# Altium PCB tinyCamera.PcbDoc (part 1 of 2) (continued)
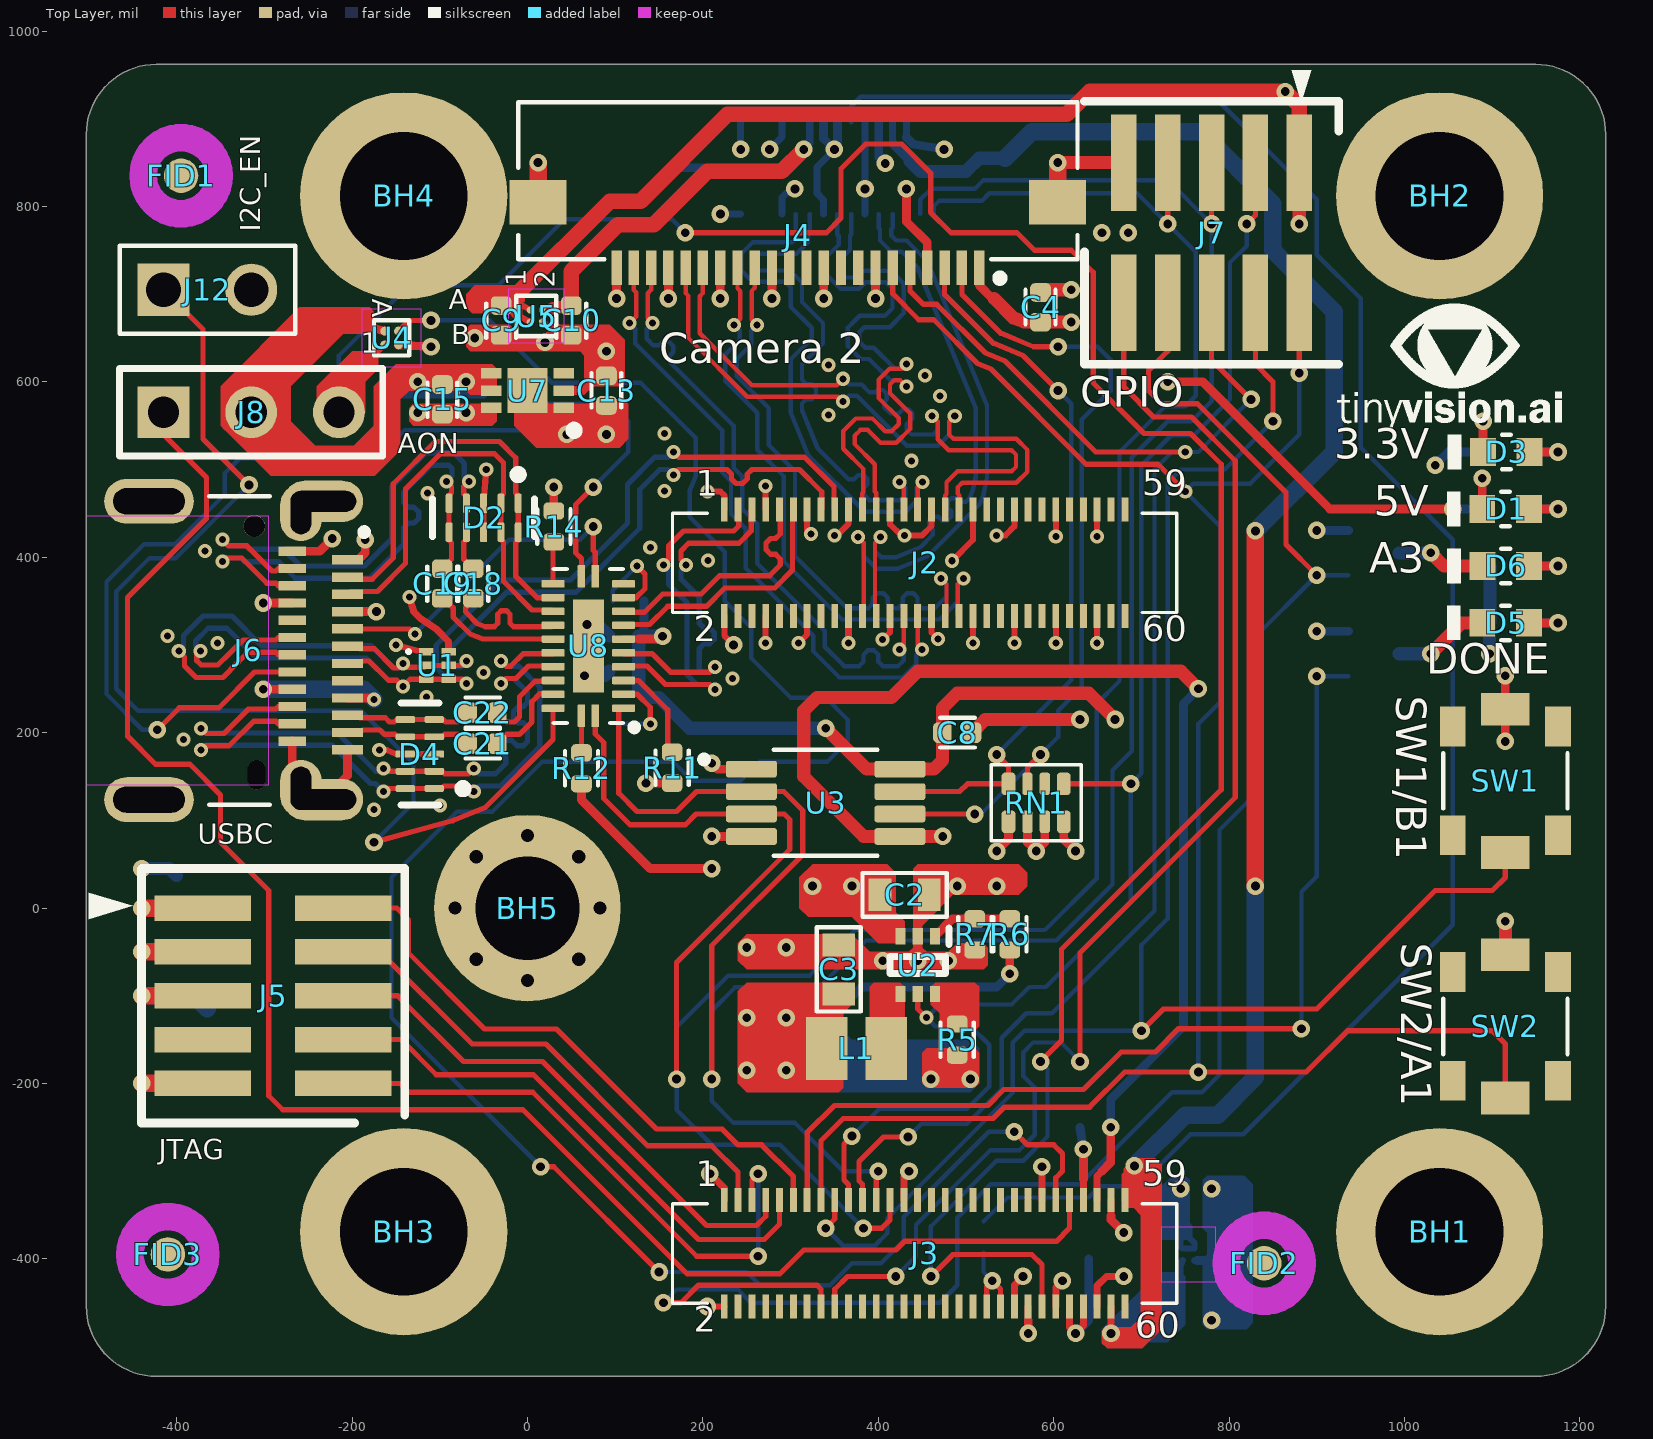
[diagram p0: Top Layer view]
## Part data (continued)
L1: library part 725321dda6339637d4d059423bc1c3c, "FIXED IND 1UH 2.7A 57 MOHM SMD", Manufacturer="Murata Electronics", Manufacturer Part Number=DFE201610E-1R0M=P2, Supplier Part Number 1=490-18106-1-ND
Logo1: library part "Logo WEEE", "WEEE logo", Lib Reference="WEEE logo", PartNumber="WEEE logo"
Logo2: library part "Logo ESD", "ESD Susceptible Symbol", LatestRevisionDate=2017-07-06, Lib Reference=ESD_Susceptible, PartNumber="ESD Susceptible", Published=2009-03-03, Publisher="Texas Instruments", SymbolCreator=a0412235, SymbolVersion=2011-08-22
Q1 Q2: library part 1926738d861a973c8d722c53ec8fd09, "MOSFET N-CH 50V 0.2A UMT3F", Continuous Drain Current=200mA, Drain to Source Breakdown Voltage=50V, Drain to Source Resistance=1.6Ω, Gate To Source Voltage=8V, Input Capacitace At Vds="26pF @ 10V", Manufacturer=Rohm, Max Forward Diode Voltage=1.2V, Max Junction Temp=+150°C, Package=UMT3F, Power Dissipation=150mW, Pulse Drain Current=800mA, Supplier Part Number 1=755-RU1J002YNTCL, Temperature="to +150°C", Automotive=No, Category=Trans, ComponentLink2Description=Datasheet, ComponentLink2URL=https://d1d2qsbl8m0m72.cloudfront.net/en/products/databook/datasheet/discrete/transistor/mosfet/ru1j002yn-e.pdf, Depletion Mode=False, Device Class L1="Discrete Semiconductors", Device Class L2=Transistors, Device Class L3=MOSFETs, Drain To Source Voltage=50V, Height=1.05mm, Lead Free=Yes, Manufacturer Part Number=RU1J002YNTCL, Mouser Description="MOSFET 0.9V Drive Nch MOSFET", Number Of Channels=1, Number Of N Channels=1, Octopart=https://octopart.com/ru1j002yntcl-rohm-47197697, RoHS=TRUE, Rthja Max=833°C/W, Standoff Height=0mm, Supplier 1=Mouser, Threshold Vgs Max=0.8V, Threshold Vgs Min=0.3V, Turn Off Delay Time=17ns, Turn On Delay Time=5ns
R1 R2 R3 R18: library part "RES 1K OHM 1% 1/16W 0402", "RES SMD 1K OHM 1% 1/16W 0402", Manufacturer=YAGEO, Manufacturer Part Number=RC0402FR-071KL, Package=0402, Supplier Part Number 1=311-1.00KLRCT-ND, Height=0.4mm, Supplier 1=Digi-Key
R4: library part "RES 1K OHM 1% 1/16W 0402", "RES 22 OHM 1% 1/16W 0402", Manufacturer=YAGEO, Manufacturer Part Number=RC0402FR-0722RL, Package=0402, Supplier Part Number 1=311-22.0LRCT-ND, Height=0.4mm, Supplier 1=Digi-Key
R5: library part "RES 0 OHM JUMPER 1/20W 0201", "RES 0 OHM JUMPER 1/16W 0402", Manufacturer=Yageo, Manufacturer Part Number=RC0402JR-070RL, Package=0402, Supplier Part Number 1=311-0.0JRCT-ND, Height=0.4mm, Supplier 1=Digi-Key
R6: library part Res_10K_1%_0402, "RES SMD 200K OHM 1% 1/16W 0402", Manufacturer="Stackpole Electronics Inc", Manufacturer Part Number=RMCF0402FT200K, Package=0402, Supplier Part Number 1=RMCF0402FT200KTR-ND, Height=0.4mm, Supplier 1=Digi-Key
R7: library part Res_10K_1%_0402, "RES SMD 44.2K OHM 1% 1/16W 0402", Manufacturer=Yageo, Manufacturer Part Number=RC0402FR-0744K2L, Package=0402, Supplier Part Number 1=YAG3163TR-ND, Height=0.4mm, Supplier 1=Digi-Key
R11 R13 R14: library part "RES SMD 10K OHM 1% 1/16W 0402", "RES SMD 10K OHM 1% 1/16W 0402", Manufacturer="Samsung Electro-Mechanics", Manufacturer Part Number=RC1005F103CS, Package=0402, Supplier Part Number 1=1276-3431-2-ND, Height=0.4mm, Supplier 1=Digi-Key
R12: library part "RES 910K OHM 1% 1/16W 0402", "RES 910K OHM 1% 1/16W 0402", Manufacturer=YAGEO, Manufacturer Part Number=RC0402FR-07910KL, Package=0402, Supplier Part Number 1=YAG3257CT-ND, Height=0.4mm, Supplier 1=Digi-Key
RN1: library part "RES ARRAY 4 RES 47K OHM 0804", "Res Thick Film Array 10K Ohm 5% ±200ppm/°C ISOL 8-Pin 0804(4 X 0402) Convex SMD Automotive T/R", Case Code (Imperial)=0402, Case Code (Metric)=1005, Case/Package=0804, Manufacturer=Panasonic, Manufacturer Part Number=EXB-28V103JX, Max Operating Temperature=125°C, Min Operating Temperature=-55°C, Number of Resistors=4, Package Quantity=1, Power Dissipation=63mW, Power Per Element=62.5mW, Resistance Tolerance=5%, Supplier Part Number 1=Y7103CT-ND, Temperature Coefficient=200ppm/°C, Voltage Rating=50V, Voltage Rating (DC)=100V, Category="Resistor Arrays", Circuit Type=Isolated, ComponentLink1Description=https://datasheet.ciiva.com/46387/1480003-46387949.pdf?src-supplier=Element14, ComponentLink1URL=https://datasheet.ciiva.com/46387/1480003-46387949.pdf?src-supplier=Element14, ComponentLink2Description=https://datasheet.ciiva.com/46376/1480003-46376265.pdf?src-supplier=Element14, ComponentLink2URL=https://datasheet.ciiva.com/46376/1480003-46376265.pdf?src-supplier=Element14, ComponentLink3Description=https://datasheet.ciiva.com/28418/1790599-28418558.pdf?src-supplier=Element14, ComponentLink3URL=https://datasheet.ciiva.com/28418/1790599-28418558.pdf?src-supplier=Element14, ComponentLink4Description=https://datasheet.ciiva.com/28636/1790599-28636885.pdf?src-supplier=Element14, ComponentLink4URL=https://datasheet.ciiva.com/28636/1790599-28636885.pdf?src-supplier=Element14, ComponentLink5Description=https://datasheet.ciiva.com/30209/aoc0000ce1-30209125.pdf?src-supplier=Onlinecomponents.com, ComponentLink5URL=https://datasheet.ciiva.com/30209/aoc0000ce1-30209125.pdf?src-supplier=Onlinecomponents.com, Depth=1mm, Height=0.35mm, Lead Free="Lead Free", Length=2mm, Military Standard=Not, Mounting Technology="Surface Mount", Number of Contacts=8, Number of Elements=4, Packaging="Tape and Reel", Pins=8, Pricing="1=0.10000, 10=0.08100, 25=0.05640, 50=0.04380, 100=0.03130, 250=0.02444, 500=0.01942, 1000=0.01378, 5000=0.01065 (USD)", Radiation Hardening=No, Reach SVHC Compliant=Unknown, RoHS=Yes, RoHS Compliant=Yes, Series=EXB, Stock=1570078, Supplier 1=Digi-Key, Technology="THICK FILM", Terminal Pitch=0.5mm, Termination=Convex, Tolerance=5%, Width=1mm
SW1 SW2: library part SPST_NO, "SWITCH TACTILE SPST-NO 0.05A 12V", Manufacturer=C&K, Supplier Part Number 1=CKN10897CT-ND, Manufacturer Part Number="PTS820 J25K SMTR LFS", Supplier 1=Digi-Key
T1: library part TP_S, "test point"
T3 T4 T5 T6 T7 T8 T9 T10 T11 T12 T13 T14 T15 T16 T17 T18 T28 T30 T32 T34 T35: "test point"
TP1: "PC TEST POINT MINIATURE", Manufacturer="Keystone Electronics", Supplier Part Number 1=36-5019CT-ND, ComponentLink1Description="Manufacturer URL", ComponentLink1URL=http://www.keyelco.com/, ComponentLink2Description=Datasheet, ComponentLink2URL=http://keyelco.com/userAssets/file/M65p56.pdf, Manufacturer Part Number=5019, Supplier 1=Digi-Key
U1: library part ONSC-ESDR0502N-UDFN-6-517AA-01, "TVS DIODE 5.5VWM 6UDFN", Manufacturer="ON Semiconductor", Supplier Part Number 1=863-ESDR0502NMUTAG, ComponentLink1Description="Manufacturer URL", ComponentLink1URL=http://www.onsemi.com/, ComponentLink2Description=Datasheet, ComponentLink2URL=http://www.onsemi.cn/pub_link/Collateral/ESDR0502N-D.PDF, ComponentLink3Description="Package Specification", ComponentLink3URL=http://www.onsemi.com/pub_link/Collateral/517AA.PDF, Manufacturer Part Number=ESDR0502NMUTAG, Supplier 1=Mouser
U2: library part AP61102Z6-7, "DC-DC CONV LV BUCK SOT563", Manufacturer="Diodes Incorporated", Supplier Part Number 1=31-AP61100QZ6-7TR-ND, Height=0.6mm, Manufacturer Part Number=AP61100QZ6-7, Supplier 1=Digi-Key
U3: library part TI-TCA9509-MSOP_DGK-8, "Level-translating I2C And Smbus", Case/Package=VSSOP, Clock Frequency=400kHz, Manufacturer="Texas Instruments", Max Operating Temperature=85°C, Max Supply Voltage=5.5V, Min Operating Temperature=-40°C, Min Supply Voltage=900mV, Operating Supply Current=3mA, Supplier Part Number 1=296-30283-1-ND, Category="Interface ICs", ComponentLink1Description=https://datasheet.ciiva.com/22791/tca9509-22791264.pdf?src-supplier=Farnell, ComponentLink1URL=https://datasheet.ciiva.com/22791/tca9509-22791264.pdf?src-supplier=Farnell, ComponentLink2Description=https://datasheet.ciiva.com/3149/tca9509-3149522.pdf?src-supplier=Avnet, ComponentLink2URL=https://datasheet.ciiva.com/3149/tca9509-3149522.pdf?src-supplier=Avnet, ComponentLink3Description=https://datasheet.ciiva.com/26911/getdatasheetpartid-476504-26911504.pdf?src-supplier=Verical, ComponentLink3URL=https://datasheet.ciiva.com/26911/getdatasheetpartid-476504-26911504.pdf?src-supplier=Verical, ComponentLink4Description=https://datasheet.ciiva.com/41460/001187989-da-01-en-ic-i2c-bus-rep-l-tca9509dgkr-vssop-8-tid-41460370.pdf?src-supplier=Conrad, ComponentLink4URL=https://datasheet.ciiva.com/41460/001187989-da-01-en-ic-i2c-bus-rep-l-tca9509dgkr-vssop-8-tid-41460370.pdf?src-supplier=Conrad, ComponentLink5Description=https://datasheet.ciiva.com/1784/tca9509-1784225.pdf?src-supplier=Digi-Key, ComponentLink5URL=https://datasheet.ciiva.com/1784/tca9509-1784225.pdf?src-supplier=Digi-Key, ComponentLink6Description=https://datasheet.ciiva.com/1784/tca9509-1784226.pdf?src-supplier=Digi-Key, ComponentLink6URL=https://datasheet.ciiva.com/1784/tca9509-1784226.pdf?src-supplier=Digi-Key, ComponentLink7Description=https://datasheet.ciiva.com/1784/tca9509-1784227.pdf?src-supplier=Digi-Key, ComponentLink7URL=https://datasheet.ciiva.com/1784/tca9509-1784227.pdf?src-supplier=Digi-Key, Height=0.95mm, Input="2-Wire Bus", Lead Free="Lead Free", Length=3.1mm, Manufacturer Part Number=TCA9509DGKR, Number Of Channels=1, Number of Outputs=2, Packaging="Tape and Reel", Pins=8, Pricing="1=1.27000, 10=1.13200, 25=1.07480, 100=0.88270, 250=0.82516, 500=0.72922, 1000=0.57570 (USD)", Propagation Delay=132.8ns, Radiation Hardening=No, Reach SVHC Compliant=No, RoHS=Yes, RoHS Compliant=Yes, Series=-, Stock=68069, Supplier 1=Digi-Key, Weight=0.001058oz, Width=3.1mm
U4: library part TCK106AG, "IC PWR SWITCH P-CHAN 1:1 4WCSPD", Manufacturer=Toshiba, Number_devices_in_Package=1, Supplier Part Number 1=TCK106AGLFCT-ND, 1pc cost=$0.47, 100pc cost=$0.2349, Built_By=EMA_UL_Team, Copyright="Copyright (C) 2018 Accelerated Designs. All rights reserved", Height=0.55mm, Manufacturer Part Number=TCK106AG,LF, RefDes=RefDes, Source_Package=TCK106AG, Supplier 1=Digi-Key, Type=DEV, Vendor=Toshiba
U5: library part NCP110AFCT120T2G, "LDO Regulator, 200 mA, Low Vin, Ultra-High PSRR 2.8V, Active Discharge", Manufacturer="ON Semiconductor", Max Operating Temperature=125°C, Max Supply Voltage=5.5V, Min Operating Temperature=-40°C, Min Output Voltage=2.8V, Output Current=200mA, Power Supply Rejection Ratio (PSRR)=55dB, Quiescent Current=25uA, Supplier Part Number 1=863-NCP110AFCT280T2G, Category="Voltage Regulators - Linear", Manufacturer Part Number=NCP110AFCT280T2G, Mounting Technology="Surface Mount", Number of Regulators=1, Output Configuration=Positive, Output Type=Fixed, Packaging="Tape and Reel", Pricing="1=0.45000, 10=0.35600, 50=0.35600, 100=0.20000, 1000=0.12500, 10000=0.10700 (USD)", RoHS=Yes, RoHS Compliant=Yes, Series=-, Stock=2308, Supplier 1=Mouser
U6: "LDO Regulator, 200 mA, Low Vin, Ultra-High PSRR 1.2V, Active Discharge", Manufacturer="ON Semiconductor", Supplier Part Number 1=488-NCP110AFCT120T2GCT-ND, Category="Voltage Regulators - Linear", Manufacturer Part Number=NCP110AFCT120T2G, Pricing 1="1=0.41000, 10=0.33100, 25=0.30280, 100=0.22520, 250=0.20412, 500=0.16892, 1000=0.12669, 2500=0.11613 (USD)", RoHS=Yes, RoHS Compliant=Yes, Stock 1=4650, Supplier 1=Digi-Key
U7: "IC CTLR OVP 28V W/NMOS 6-DFN", Case/Package=DFN, Manufacturer="ON Semiconductor", Max Operating Temperature=85°C, Max Supply Voltage=28V, Min Operating Temperature=-40°C, Min Supply Voltage=1.2V, Operating Supply Current=70uA, Package Quantity=3000, Supplier Part Number 1=NCP349MNAETBGOSCT-ND, Category="Power Management ICs", ComponentLink1Description=https://datasheet.ciiva.com/1967/ncp349-d-1967888.pdf?src-supplier=Avnet, ComponentLink1URL=https://datasheet.ciiva.com/1967/ncp349-d-1967888.pdf?src-supplier=Avnet, ComponentLink2Description=https://datasheet.ciiva.com/6602/ncp349-d-6602421.pdf?src-supplier=Digi-Key, ComponentLink2URL=https://datasheet.ciiva.com/6602/ncp349-d-6602421.pdf?src-supplier=Digi-Key, ComponentLink3Description=https://datasheet.ciiva.com/6602/ncp349-d-6602425.pdf?src-supplier=Digi-Key, ComponentLink3URL=https://datasheet.ciiva.com/6602/ncp349-d-6602425.pdf?src-supplier=Digi-Key, Halogen Free="Halogen Free", Height=0.95mm, Lead Free="Lead Free", Length=2mm, Manufacturer Part Number=NCP349MNAETBG, Mount="Surface Mount", Number of Pins=6, Packaging="Tape and Reel", Pricing 1="1=0.96000, 10=0.84700, 25=0.79520, 100=0.64900, 250=0.60284, 500=0.51304, 1000=0.41043 (USD)", Reach SVHC Compliant=Yes, RoHS=Yes, RoHS Compliant=Yes, Series=-, Stock 1=1255, Supplier 1=Digi-Key, Weight=0.000744oz, Width=1.6mm
U8: library part PI5USB30213XEAEX, "USB Power SW DIST Single 2.7V to 5.5V 1.5A/3A 24-Pin TQFN T/R", Manufacturer=Diodes, Supplier Part Number 1=PI5USB30213XEAEXCT-ND, Category="Power Management ICs", ComponentLink1Description=https://media.digikey.com/pdf/Data%20Sheets/Pericom%20PDFs/PI5USB30213_Web.pdf?src-supplier=Digi-Key, ComponentLink1URL=https://media.digikey.com/pdf/Data%20Sheets/Pericom%20PDFs/PI5USB30213_Web.pdf?src-supplier=Digi-Key, Manufacturer Part Number=PI5USB30213XEAEX, Pricing="1=1.92000, 10=1.72200, 25=1.62480, 100=1.38450, 250=1.30000, 500=1.13750, 1000=0.94250 (USD)", RoHS=Yes, RoHS Compliant=Yes, Stock=3456, Supplier 1=Digi-Key

## Via types
v1: diameter 20, hole 10, Top Layer to Bottom Layer, 155 vias
v2: diameter 16, hole 8, Top Layer to Bottom Layer, 90 vias
v3: diameter 30, hole 15, Top Layer to Bottom Layer, 8 vias

## Nets (pads, with @x,y where several pads share a name; then routed paths per layer and width w, separated by ;. In a path a pad name is that pad's centre, name@x,y a point inside that pad or via, vN(x,y) a via of type N, cw(c..) or ccw(c..) an arc to the next point about the centre after c; other vN are vias at no path point)
AON_INT: J3.51 J8.1 | length 1977.1
  Top Layer w6: J8.1@-415,565.32 -415,540 -366,491 -366,444 -456,354 -456,196 -424,164 -385,164 -350,129 -350,75 -295,20 -295,-214 -279,-230 -5,-230 182,-417 288,-417 315,-390 420,-390 430,-380 603.11,-380 618.11,-365 J3.51@618.11,-333.07
AON_OUT: J3.49 U4.B2 | length 2653.7
  Top Layer w6: U4.B2@-147.13,657.88 -135.01,670 v1(-110,670) ; v1(15,-295) 30,-295 v1(150,-415) ; v1(555,-255) 570,-270 600,-270 610,-280 610,-300 602.36,-307.64 J3.49@602.36,-333.07
  Bottom Layer w5: v1(-110,670) -43,670 28,599 129,599 192,536 192,493 185,476.1 185,446 225,406 225,350 255,320 255,285 300,240 340,240 365,215 365,190 342,167 265,167 243,145 188,145 166,167 17,167 -40,110 -80,110 -155,35 -155,-125 v1(15,-295) ; v1(150,-415) 250,-415 265,-430 345,-430 370,-405 403,-405 429,-379 429,-352 526,-255 v1(555,-255)
CC1: J6.A5 U8.11 | length 390.9
  Top Layer w6: J6.A5@-205.21,318.31 -134.31,318.31 v2(-128.5,312.5) ; v1(75,435) 75,408 77.26,405.74 U8.11@77.26,378.35
  Bottom Layer w5: v2(-128.5,312.5) -21,420 60,420 v1(75,435)
CC2: J6.B5 U8.12 | length 1289.9
  Top Layer w6: v1(-422.04,203.26) -397.04,228.26 -352.04,228.26 -311.22,269.09 J6.B5@-268.2,269.09 ; U8.12@61.51,378.35 61.51,398.49 55,405 55,460 v1(75,480)
  Bottom Layer w5: v1(-422.04,203.26) -439.26,203.26 -480,244 -480,372 -437,415 -402,415 -345,472 -345,496 -328,513 -172,513 -140,545 -4.49,545 -4.49,545.51 25,575 95,575 115,555 115,520 v1(75,480)
DIFF0_N: J1.23 J2.23 T9.1 | length 609.9
  Top Layer w5: J2.23@397.64,454.33 397.64,473.36 396,475 396,506.02 372.97,529.05 372.97,538.55 379.58,545.16 387.95,545.16 402.57,530.53 420.54,530.53 436.25,546.24 436.25,564.09 413.36,586.97 413.36,597.08 418.28,602 424.83,602 v2(432.33,594.5)
  Bottom Layer w5: J1.23@353.34,791.35 353.34,767.82 354.72,766.45 354.72,756.11 342,743.39 342,721 357,706 378,706 385.55,713.54 409.01,713.54 416.15,706.4 416.15,683.85 407.57,675.27 378.73,675.27 372.04,668.58 365.34,661.89 365.34,640.62 379.96,626 389.53,626 413.53,602 424.83,602 v2(432.33,594.5)
DIFF0_P: J1.24 J2.21 T10.1 | length 608
  Top Layer w5: J2.21@381.89,454.33 381.89,472.89 383,474 383,500.64 359.97,523.66 359.97,543.93 363.78,547.74 374.2,558.16 393.34,558.16 407.96,543.53 415.15,543.53 423.25,551.63 423.25,558.7 400.36,581.59 400.36,602.47 412.9,615 426.83,615 v2(432.33,620.5)
  Bottom Layer w5: J1.24@369.09,791.35 369.09,767.82 367.72,766.45 367.72,750.72 355,738 355,726.39 362.39,719 372.62,719 380.16,726.54 414.4,726.54 429.15,711.79 429.15,678.47 412.95,662.27 384.11,662.27 378.34,656.5 378.34,646 385.34,639 394.91,639 418.91,615 426.83,615 v2(432.33,620.5)
DIFF1_N: J1.26 J2.24 T12.1 | length 649.4
  Top Layer w5: J2.24@397.64,333.07 396.2,334.51 396.2,416.63 v2(402.7,423.13)
  Bottom Layer w5: J1.26@400.59,791.35 400.59,775.25 401.96,773.88 401.96,761.16 415.01,748.11 426.89,748.11 445.02,729.98 511,570.69 511,552 511,492.2 507.87,476.43 504.21,467.59 499.95,463.33 493.73,463.33 489.64,467.42 483.42,467.42 479.03,463.03 479.03,456.81 483.13,452.72 483.13,446.51 478.73,442.11 472.52,442.11 468.42,446.21 462.21,446.21 457.82,441.81 457.82,435.6 461.91,431.51 461.91,425.29 448.42,411.8 419.93,400 403.39,400 396.2,407.19 396.2,416.63 v2(402.7,423.13)
DIFF1_P: J1.27 J2.22 T14.1 | length 653.4
  Top Layer w5: v2(376.7,423.13) 383.2,416.63 383.2,334.38 J2.22@381.89,333.07
  Bottom Layer w5: v2(376.7,423.13) 383.2,416.63 383.2,401.8 398,387 422.52,387 455.78,400.78 515.23,460.22 520.37,472.63 524,490.92 524,573.27 456.04,737.35 432.28,761.11 420.39,761.11 414.96,766.54 414.96,774.18 416.33,775.55 J1.27@416.33,791.35
DIFF2_N: J1.20 J2.29 T3.1 | length 610.4
  Top Layer w5: J2.29@444.88,454.33 444.88,480.36 v2(450.41,485.89)
  Bottom Layer w5: J1.20@306.1,791.35 306.1,774.9 307.47,773.53 307.47,765 301.47,759 256.68,759 244.06,746.39 244.06,726.62 256.68,714 293.93,714 300,707.93 300,685.62 324,661.62 324,649.39 300,625.39 300,565.12 301.41,561.74 302.36,559.72 319.93,516.69 384.62,452 394.22,452 431.3,452 443.91,464.62 443.91,479.39 v2(450.41,485.89)
DIFF2_P: J1.21 J2.27 T5.1 | length 608.5
  Top Layer w5: v2(424.41,485.89) 429.13,481.17 J2.27@429.13,454.33
  Bottom Layer w5: J1.21@321.85,791.35 321.85,772.85 320.47,771.47 320.47,759.62 306.86,746 262.06,746 257.06,741 257.06,732 262.06,727 299.32,727 313,713.31 313,691 337,667 337,644 313,620 313,602.27 317.98,597.29 324.02,597.29 329,592.31 329,585.27 324.02,580.29 317.98,580.29 313,575.31 313,567.7 313.29,567.02 314.27,564.94 330.98,524.03 366.11,488.89 372.33,488.89 377.11,493.68 383.33,493.68 387.72,489.28 387.72,483.07 382.93,478.28 382.93,472.07 390,465 394.22,465 425.91,465 430.91,470 430.91,479.39 v2(424.41,485.89)
DIFF3_N: J2.30 J4.21 T4.1 | length 724
  Top Layer w5: v2(116.5,667) 124,674.5 124,702 121.3,704.7 J4.21@121.3,730 ; J2.30@444.88,333.07 444.88,300.12 v2(450,295)
  Bottom Layer w5: v2(116.5,667) 123,660.5 123,643.62 222,544.62 222,496.62 232,486.62 232,449.62 249,432.62 249,387.62 326,310.62 326,292.62 355.7,262.92 427.87,262.92 443.5,278.55 443.5,288.5 v2(450,295)
DIFF3_P: J2.28 J4.20 T8.1 | length 723.1
  Top Layer w5: J4.20@140.98,730 140.98,704.98 137,701 137,672.5 v2(142.5,667) ; v2(424,295) 429.13,300.13 J2.28@429.13,333.07
  Bottom Layer w5: v2(142.5,667) 136,660.5 136,649 143.24,641.76 150.28,641.76 154.24,645.72 161.28,645.72 166.26,640.74 166.26,633.7 162.3,629.74 162.3,622.7 235,550 235,502 245,492 245,455 262,438 262,393 339,316 339,298 361.08,275.92 378.14,275.92 383.12,280.9 383.12,288.82 388.09,293.8 395.14,293.8 400.12,288.82 400.12,280.9 405.09,275.92 422.49,275.92 429.24,282.67 429.24,289.76 v2(424,295)
DIFF4_N: J2.35 J4.18 T11.1 | length 722.4
  Top Layer w5: J4.18@180.35,730 180.35,701.16 183.5,698.01 183.5,650.12 250.62,583 354.5,583 v2(360,577.5) ; v2(487.18,561.29) 480.76,554.87 480.76,540 485.76,535 557.39,535 570,522.39 570,497.62 557.39,485 495.76,485 490.76,480 490.76,472.24 492.13,470.87 J2.35@492.13,454.33
  Bottom Layer w5: v2(360,577.5) 366.5,584 375.62,584 432.62,527 468.07,527 480.68,539.62 480.68,554.79 v2(487.18,561.29)
DIFF4_P: J2.33 J4.17 T13.1 | length 719.4
  Top Layer w5: J4.17@200.04,730 200.04,701.16 196.5,697.62 196.5,655.5 256,596 352.5,596 v2(360,603.5) ; v2(461.18,561.29) 467.76,554.71 467.76,534.62 480.38,522 552,522 557,517 557,503 552,498 490.38,498 477.76,485.39 477.76,471.76 476.38,470.38 J2.33@476.38,454.33
  Bottom Layer w5: v2(360,603.5) 366.51,597 381.01,597 390.08,587.93 396.29,587.93 399.08,590.72 405.29,590.72 409.68,586.32 409.68,580.11 406.9,577.32 406.9,571.11 414.11,563.89 423.33,563.89 428.13,568.69 434.34,568.69 438.73,564.3 438.73,558.08 432.43,551.78 432.43,545.57 438,540 462.68,540 467.68,545 467.68,554.79 v2(461.18,561.29)
DIFF5_N: J2.36 J4.15 T15.1 | length 756.9
  Top Layer w5: v2(497.26,376) 490.76,369.5 J2.36@490.76,334.45 ; 239.41,706.59 J4.15@239.41,730 239.41,706.59 ; 239.41,706.59 242.5,703.5 ; 239.41,706.59 242.5,703.5 ; 242.5,672 242.5,703.5 ; 242.5,672 v2(235.5,665) 242.5,672 ; 242.5,672 242.5,703.5 ; J2.36@490.76,334.45 J2.36@492.13,333.07 J2.36@490.76,334.45
  Bottom Layer w5: v2(235.5,665) 242,658.5 242,647.73 225.47,631.2 225.47,601.2 262,564.67 262,522.62 292,492.62 292,395.62 358.62,329 470.01,329 490.76,349.76 490.76,369.5 v2(497.26,376)
DIFF5_P: J2.34 J4.14 T17.1 | length 758
  Top Layer w5: v2(471.26,376) 477.76,369.5 J2.34@477.76,334.45 ; 255.5,671 255.5,703.5 ; 255.5,671 v2(261.5,665) 255.5,671 ; 255.5,671 255.5,703.5 ; 255.5,703.5 259.09,707.09 ; 255.5,703.5 259.09,707.09 ; 259.09,707.09 J4.14@259.09,730 259.09,707.09 ; J2.34@477.76,334.45 J2.34@476.38,333.07 J2.34@477.76,334.45
  Bottom Layer w5: v2(261.5,665) 255,658.5 255,642.35 238.47,625.82 238.47,606.58 275,570.05 275,528 305,498 305,401 364,342 388.78,342 393.76,346.98 393.76,354.02 398.74,359 405.78,359 410.76,354.02 410.76,346.98 415.74,342 422.78,342 427.76,346.98 427.76,354.02 432.74,359 439.78,359 444.76,354.02 444.76,346.98 449.74,342 464.62,342 477.76,355.14 477.76,369.5 v2(471.26,376)
DONE: J3.13 Q1.1 | length 1134.9
  Top Layer w6: J3.13@318.9,-333.07 318.9,-256.1 350,-225 525,-225 543,-207 634,-207 677,-164 716,-164 742.5,-137.5 v1(882.5,-137.5)
  Bottom Layer w5: v1(882.5,-137.5) 882.5,18.5 900,36 v1(900,264.41) Q1.1@936.06,264.41
EN: J3.48 J8.3 U4.A1 | length 2747
  Top Layer w6: -175,630 U4.A1@-162.88,642.13 ; v1(180,770) 340.84,770 357.61,786.77 357.61,843.01 385.73,871.13 426.69,871.13 459.73,838.09 459.73,793.18 482.91,770 558,770 578,750 620,750 645,725 645,599 703,541 756,541 791,506 791,135 609,-47 609,-151 v1(585,-175) ; v1(460,-420) 485,-395 575,-395 586.61,-406.61 J3.48@586.61,-454.33
  Bottom Layer w5: J8.3@-215,580 -215,630 -135,710 -33.02,710 42.31,785.33 164.67,785.33 v1(180,770) ; v1(460,-420) 460,-363 534.8,-288.2 565.2,-288.2 592.9,-260.5 592.9,-182.9 v1(585,-175)
GND: BH1.1 BH2.1 BH3.1 BH4.1 BH5.1 C1.1 C2.1 C3.1 C4.1 C5.1 C6.1 C7.1 C8.1 C9.1 C10.1 C13.1 C15.1 C17.1 D1.2 D2.3 D2.8 D3.2 D4.3 D4.8 J1.6 J1.8 J1.9 J1.12 J1.15 J1.16 J1.19 J1.22 J1.25 J1.28 J2.1 J2.2 J2.7 J2.8 J2.13 J2.14 J2.19 J2.20 J2.25 J2.26 J2.31 J2.32 J2.37 J2.38 J2.43 J2.44 J2.49 J2.50 J2.55 J2.56 J3.1 J3.2 J3.27 J3.44 J3.47 J3.50 J4.4 J4.7 J4.10 J4.13 J4.16 J4.19 J4.22 J4.SH1 J4.SH2 J5.3 J5.5 J5.9 J6.A1 J6.A12 J6.B1 J6.B12 J6.Shell J7.9 J12.2 Q1.2 Q2.2 R7.1 R11.1 R14.2 RN1.8 SW1.2 SW2.2 TP1.1 U1.1 U2.2 U3.4 U4.B1 U5.B2 U6.B2 U7.2 U7.6 U8.25 | length 3342.9
  Top Layer w6.87: v2(-169,180) -160,180 -149.33,175.58 D4.3@-106.31,175.58 ; D2.8@-50,428.56 D2.3@-50,461.44 ; v1(205,-454.33) J3.2@224.41,-454.33 ; v2(205,475) 220,475 224.41,470.59 J2.1@224.41,454.33 ; J2.2@224.41,333.07 224.41,310.59 v1(235,300) ; v2(271.65,302.4) J2.8@271.65,333.07 ; J2.7@271.65,454.33 v2@271.65,480 ; v2(309,302) 318.9,311.9 J2.14@318.9,333.07 ; J2.13@318.9,454.33 318.9,431.1 v2(323.5,426.5) ; v2(350,425) 353,425 366.14,438.14 J2.19@366.14,454.33 ; v2(405,306) 413.39,314.39 J2.26@413.39,333.07 ; J2.25@413.39,454.33 413.39,437.61 426,425 v2(430,425) 450,425 460.63,435.63 J2.31@460.63,454.33 ; J2.32@460.63,333.07 460.63,314.37 v2(468,307) ; v2(484.26,396) 507.87,419.61 J2.37@507.87,454.33 ; v2(507.87,302.4) J2.38@507.87,333.07 ; v2(535,425) 545,425 555.12,435.12 J2.43@555.12,454.33 ; v2(555.12,302.4) J2.44@555.12,333.07 ; v2(602.36,302.4) J2.50@602.36,333.07 ; v2(602.36,423.66) J2.49@602.36,454.33 ; v2(649.61,302.4) J2.56@649.61,333.07 ; v2(649.61,423.66) J2.55@649.61,454.33
  Top Layer w7: v2(-150.14,299.78) -122.14,292.4 U1.1@-115.54,292.4 ; D2.3@-50,461.44 v2(-47,500) ; U5.B2@16.89,668.11 31.61,660
  Top Layer w8: v1(208,-303) 224.41,-319.41 J3.1@224.41,-333.07 ; v2(366.14,302.4) J2.20@366.14,333.07 ; J3.27@429.13,-333.07 429.13,-305.87 v1(435,-300) ; J3.44@555.12,-454.33 555.12,-429.88 v1(565,-420) ; J3.47@586.61,-333.07 v1(586.61,-295) ; J3.50@602.36,-454.33 602.36,-432.64 v1(610,-425)
  Top Layer w10: J6.B1@-268.2,190.35 -268.2,146.26 J6.Shell@-258.36,136.42 ; J6.B12@-268.2,406.89 -236.96,406.89 v1(-222.52,421.32) ; J6.Shell@-232.77,123.62 -205.21,151.18 J6.A12@-205.21,180.51 ; J6.A1@-205.21,397.05 -192.95,397.05 -185,405 v1(-185,420) ; U4.B1@-147.13,642.13 v1(-110,640) ; R14.2@30.01,452.72 v1(30.01,480) ; v1(101.61,695) J4.22@101.61,730 ; v1(135,142.28) R11.1@165.01,142.28 ; v1(160.67,695) J4.19@160.67,730 ; v1(210,81.61) U3.4@255.35,81.61 ; v1(337.83,695) J4.10@337.83,730 ; v1(396.89,695) J4.7@396.89,730 ; v1(432.08,820) 432.08,782.85 455.94,758.99 J4.4@455.94,730 ; RN1.8@611.49,98.34 611.49,78.51 v1(625,65) ; D1.2@1088.64,455.01 v1(1088.64,490) ; D3.2@1089.58,520.01 v1(1089.58,555) ; v1(1115,190) v1(1115,265) ; v1(219.72,695) J4.16@219.72,730 v1(219.72,695) ; v1(278.78,695) J4.13@278.78,730 v1(278.78,695)
  Top Layer w15: 31.61,660 C10.1@50,653.07 ; C8.1@506.93,200 521.93,215 v1(630,215) ; C4.1@585,701.93 588.07,705 v1(620,705) ; v1(604.57,850) J7.9@680,850 ; SW2.2@1115,-53.31 v1(1115,-15)
  Top Layer w20: v1(-440,-200) J5.9@-370,-200 ; v1(-440,-100) J5.5@-370,-100 ; v1(-440,-50) J5.3@-370,-50 ; J4.SH2@12.05,804.8 v1(12.05,850) ; J4.SH1@604.57,804.8 v1(604.57,850)
  Bottom Layer w8: v1(220,791.35) J1.16@243.11,791.35 ; v1(243.11,865) J1.15@243.11,895.68 ; v1(276,865) 290.35,879.35 J1.12@290.35,895.68 ; J1.19@290.35,791.35 290.35,810.35 300,820 v1(305,820) ; J1.22@337.59,791.35 337.59,807.41 330,815 330,845 v1(350,865) ; J1.25@384.84,791.35 v1(384.84,820) J1.6@384.84,895.68 ; J1.28@432.08,791.35 v1(432.08,820) ; U6.B2@760.53,-401.89 U6.B2@764,-401.89
  Bottom Layer w10: J1.9@337.59,895.68 337.59,877.41 v1(350,865) 350,870 353.34,873.34 J1.8@353.34,895.68 ; U6.B2@764,-401.89 771.89,-401.89 776.93,-406.93 C6.1@776.93,-440 ; v1(900,315.59) Q1.2@936.06,315.59 ; v1(900,430.59) Q2.2@936.06,430.59
  Bottom Layer w15: v1(-440,45) -408.07,45 C1.1@-400,36.93 ; v1(65,265) 88.07,265 C7.1@93.07,270 ; v1(67.95,323.26) 79.81,323.26 C17.1@93.07,310
  Bottom Layer w20: v1(-440,-100) -380,-100 TP1.1@-365,-115
  other v1: 780,-470 780,-320 405,-60 445,-60 480,-60 250,-45 295,-45 490,25 535,25 -125,565 -70,565 90,635 20,645 -60,650
  other v2: -175,112.1 -100,117.1 -392,192.05 -115.14,240.78 233.73,262 -50.35,268.78 -353.61,301.97 -410.61,309.97 206,396.27 -367.69,407.11 140,411.27 -114.04,472.97 156,475.27 271.65,481 438,510 156,541.27 343,562 470.23,583.6 453,607 343,619
  other v3: 0,-82.68 -58.46,-58.46 58.46,-58.46 -82.68,0 82.68,0 -58.46,58.46 58.46,58.46 0,82.68
GPIO1V8_A3: J3.16 J7.8 Q2.1 | length 2083.5
  Top Layer w6: v1(155,-450) 175,-450 195,-430 330,-430 334.65,-434.65 J3.16@334.65,-454.33 ; J7.8@730,690 730,635 708,613 708,590 723,575 764,575 865,474 865,414.41 v1(900,379.41)
  Bottom Layer w5: v1(155,-450) 170,-435 240,-435 255,-450 470,-450 490,-430 490,-353 528,-315 630,-315 735,-210 769,-210 789,-190 789,89 825,125 825,304.41 v1(900,379.41) Q2.1@936.06,379.41
GPIO_A1_INITN: J3.15 J4.6 J7.2 SW2.1 T28.1 | length 2418.7
  Top Layer w6: J3.15@334.65,-333.07 334.65,-265.35 360,-240 531,-240 544,-227 641,-227 681,-187 v1(765,-187) 888,-187 935,-140 1100,-140 1115,-155 SW2.1@1115,-216.69 ; J4.6@416.57,730 416.57,700.43 446.17,670.83 463.17,670.83 513.1,620.9 528.46,614.54 637,506 719,506 v2(750,475) ; v1(880,610) J7.2@880,690
  Bottom Layer w5: v1(765,-187) 765,210 790,235 790,435 v2(750,475) 759,484 824,484 880,540 v1(880,610)
GPIO_B1: J3.17 J7.4 SW1.1 | length 1995
  Top Layer w6: v1(340,-365) 350.39,-354.61 J3.17@350.39,-333.07 ; v1(700,-140) 725,-115 900,-115 1035,20 1100,20 1115,35 SW1.1@1115,63.31 ; J7.4@830,690 830,620 850,600 v1(850,555)
  Bottom Layer w5: v1(340,-365) 360,-385 396,-385 410,-371 410,-354 553.1,-210.9 553.1,-153.6 566.7,-140 v1(700,-140) 700,-42 730,-12 730,485 745,500 795,500 v1(850,555)
GPIO_F1: J3.19 J7.3 RN1.1 U2.5 | length 1702.9
  Top Layer w6: J3.19@366.14,-333.07 366.14,-315.14 361,-310 361,-269 v1(370,-260) ; U2.5@445,-97.99 445,-115 v2(455,-125) ; RN1.1@611.49,141.65 v1(688,141.65) ; v1(820,780) 830,790 J7.3@830,850
  Bottom Layer w5: v1(370,-260) 401,-229 501,-229 526.4,-203.6 526.4,-156 505.4,-135 465,-135 v2(455,-125) 470,-110 552,-110 572,-90 591,-90 688,7 v1(688,141.65) 700,153.65 700,505 734,539 760,539 801,580 801,736 820,755 v1(820,780)
GPIO_G1: J3.21 J4.5 J7.6 T30.1 | length 1724.3
  Top Layer w6: J3.21@381.89,-333.07 381.89,-314.89 378,-311 378,-289 406,-261 v1(434,-261) ; J4.5@436.26,730 436.26,703.68 451.59,688.35 466.65,688.35 522.22,632.78 544.41,623.59 648,520 v2(750,520) ; J7.6@780,690 780,625 v1(825,580)
  Bottom Layer w5: v1(434,-261) 449.15,-245.85 501.15,-245.85 540.8,-206.2 540.8,-147.8 568.6,-120 598,-120 715,-3 715,500 735,520 v2(750,520) 765,520 v1(825,580)
JTAG_EN: J3.5 J5.10 | length 681.6
  Top Layer w6: J5.10@-210,-200 -145,-200 -135,-210 6,-210 193,-397 v1(263,-397) ; J3.5@255.91,-333.07 255.91,-310.09 v1(263,-303)
  Bottom Layer w5: v1(263,-397) v1(263,-303)